# Altium PCB BeliefSat-0 2.0.PcbDoc (part 1 of 2) (continued)
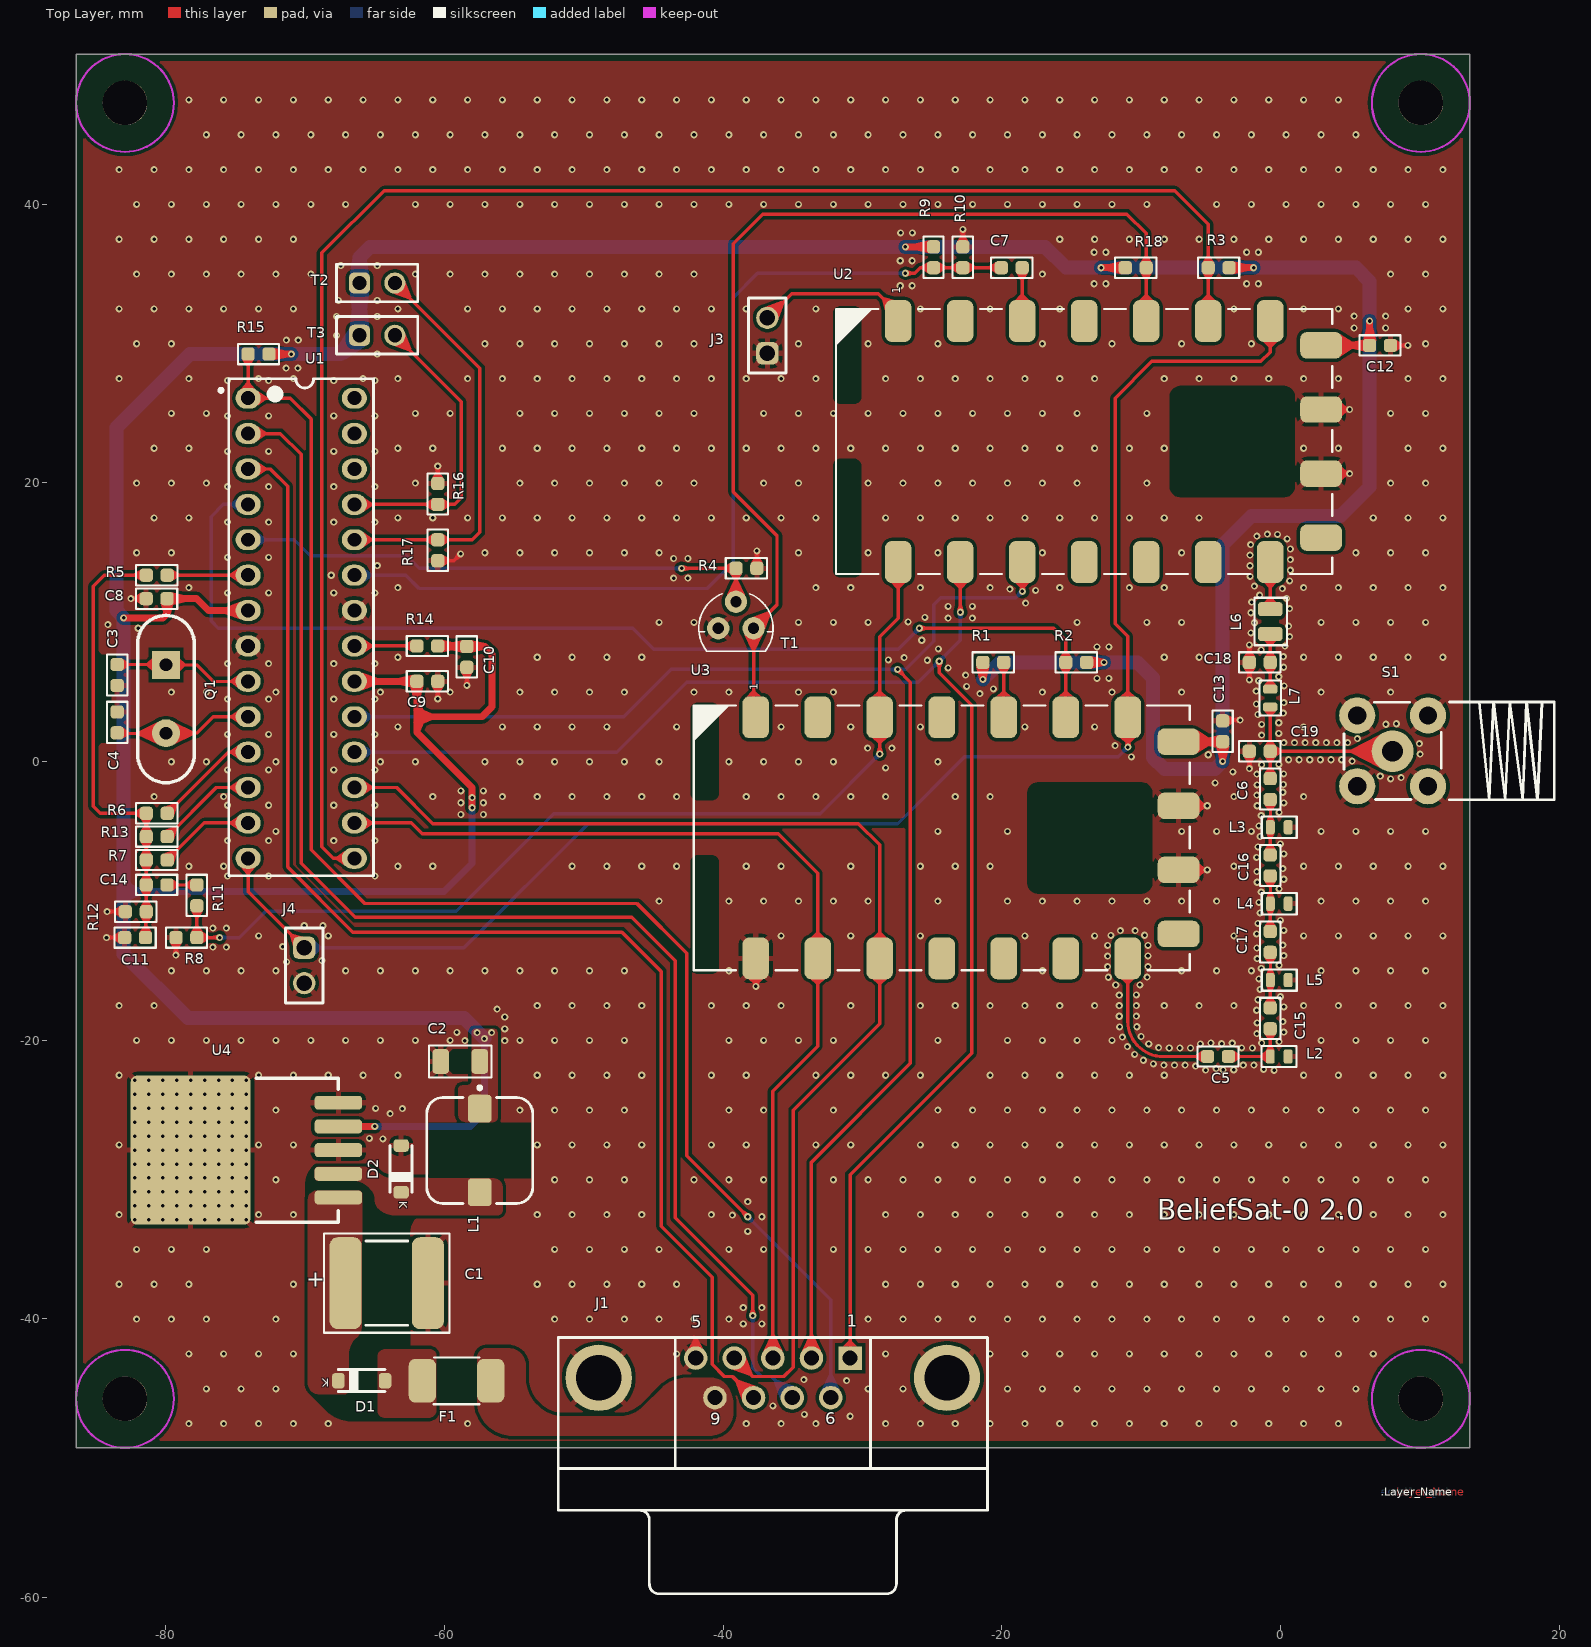
[diagram p0: Top Layer view]
## Design rules (kind name [scope] priority, off if disabled: settings)
Clearance [All] p1: gap=0.229 ignorepadtopadclearanceinfootprint=FALSE
HoleSize [All] p1: absolutevalues=TRUE maxlimit=3.26 minlimit=0.025 maxpercent=80.000 minpercent=20.000
MinimumSolderMaskSliver [All] p1: minsoldermaskwidth=0.1
PolygonConnect PolygonConnect_1 [All vs InNet('VCC') OR InNet('NetC4_2') OR InNet('3.3V') OR InNet('NetC1_1') OR InNet('NetD1_1') OR InNet('NetD2_2')] p1: connectstyle=Direct reliefconductorwidth=0.254 reliefentries=4 polygonreliefangle="90 Angle" airgapwidth=0.254
PolygonConnect [All] p2: thpad.connectstyle=Relief thpad.reliefconductorwidth=0.4 thpad.reliefentries=4 thpad.polygonreliefangle="90 Angle" thpad.airgapwidth=0.254 thpad.conductorbypadedge=TRUE thpad.mindistance=0.381 thpad.enablemindistance=FALSE smdpad.connectstyle=Relief smdpad.reliefconductorwidth=0.4 smdpad.reliefentries=4 smdpad.polygonreliefangle="90 Angle" smdpad.airgapwidth=0.254 smdpad.conductorbypadedge=TRUE smdpad.mindistance=0.381 smdpad.enablemindistance=FALSE via.connectstyle=Direct via.reliefconductorwidth=0.254 via.reliefentries=4 via.polygonreliefangle="90 Angle" via.airgapwidth=0.254
RoutingVias [All] p1: holewidth=0.2 width=0.5 viastyle="Through Hole" minholewidth=0.2 minwidth=0.5 maxholewidth=0.2 maxwidth=0.5
SilkToSolderMaskClearance [IsPad] p1: minsilkscreentomaskgap=0.1 clearancetoexposedcopper=TRUE
SolderMaskExpansion [All] p1: expansion=0.076 istentingtop=FALSE
Width [All] p1: maxlimit=1.016 minlimit=0.224 preferedwidth=0.246
27 further rules are at their usual default settings.

## Components (designator, comment, footprint, x,y, rotation, side; value= is the part's Value field where it differs from the comment)
C1 "100uF" CAP_TANT_597-F -64.131,-37.446 r0 top
C2 "220uF" CAP1206S -58.86,-21.532 r180 top
C3 "22pF" CAP0603S -83.478,6.2 r270 top
C4 "22pF" CAP0603S -83.478,2.8 r90 top
C5 "22pF" CAP0603S -4.48,-21.182 r0 top
C6 "22pF" CAP0603S -0.729,-1.985 r90 top
C7 "1uF" CAP0603S -19.279,35.429 r180 top
C8 "0.1uF" CAP0603S -80.647,11.679 r0 top
C9 "0.1uF" CAP0603S -61.222,5.744 r180 top
C10 "0.1uF" CAP0603S -58.387,7.503 r270 top
C11 "0.1uF" CAP0603S -82.192,-12.646 r180 top
C12 "0.1uF" CAP0603S 7.153,29.854 r0 top
C13 "0.1uF" CAP0603S -4.145,2.164 r90 top
C14 "4.7uF" CAP0603S -80.647,-8.862 r0 top
C15 "5.1pF" CAP0603S -0.729,-18.439 r90 top
C16 "5.1pF" CAP0603S -0.729,-7.469 r90 top
C17 "3.9pF" CAP0603S -0.729,-12.955 r90 top
C18 "30pF" CAP0603S -1.479,7.104 r180 top
C19 "12pF" CAP0603S -1.479,0.729 r180 top
D1 "1N5819HW-7-F" DIODE_SOD-123 -65.931,-44.446 r180 top
D2 "1N5819HW-7-F" DIODE_SOD-123 -63.097,-29.246 r270 top
F1 "0448002.MR" F2512S -59.122,-44.446 r180 top
J1 "M24308_23-25F" D-SUB_9M_PIN -36.423,-44.241 r0 top locked
J3 "-" HDR_P2.54_2X1_VERTICAL_TH -36.819,30.559 r90 top
J4 "-" HDR_P2.54_2X1_VERTICAL_TH -70.056,-14.645 r270 top
L1 "47uH" IND_SHIELD_7.3X7.3_H4.5R_SMD -57.46,-27.923 r0 top
L2 "22nH" INDW0603S -0.089,-21.182 r0 top
L3 "20nH" INDW0603S -0.082,-4.726 r180 top
L4 "11nH" INDW0603S -0.082,-10.212 r0 top
L5 "11nH" INDW0603S -0.082,-15.696 r0 top
L6 "30nH" INDW0805S -0.729,10.039 r270 top
L7 "75nH" INDW0603S -0.729,4.546 r270 top
Q1 "8MHZ" CRYSTAL -79.976,4.474 r270 top
R1 "10k ohm" RES0603S -20.604,7.104 r0 top
R2 "10k ohm" RES0603S -14.654,7.104 r0 top
R3 "10k ohm" RES0603S -4.429,35.429 r0 top
R4 "10k ohm" RES0603S -38.322,13.858 r180 top
R5 "10k ohm" RES0603S -80.642,13.364 r180 top
R6 "4.7k ohm" RES0603S -80.642,-3.724 r180 top
R7 "1k ohm" RES0603S -80.642,-7.074 r180 top
R8 "1k ohm" RES0603S -78.511,-12.646 r180 top
R9 "100k ohm" RES0603S -24.892,36.179 r270 top
R10 "100k ohm" RES0603S -22.793,36.179 r90 top
R11 "100k ohm" RES0603S -77.761,-9.612 r270 top
R12 "270 ohm" RES0603S -82.142,-10.785 r180 top
R13 "2.2k ohm" RES0603S -80.642,-5.399 r180 top
R14 "0 ohm" RES0603S -61.222,8.284 r180 top
R15 "10k ohm" RES0603S -73.332,29.229 r0 top
R16 "100k ohm" RES0603S -60.472,19.194 r90 top
R17 "100k ohm" RES0603S -60.472,15.154 r270 top
R18 "10k ohm" RES0603S -10.379,35.429 r0 top
S1 "SMA_CONNECTOR" SMA-RA 8.053,0.754 r270 top locked
T1 "2N7000-G" TO-92TRY -39.073,9.553 r0 top
T2 "NTC 100k" SOCKET_P2.54_2X1_VERTICAL_TH -64.817,34.329 r0 top
T3 "NTC 100k" SOCKET_P2.54_2X1_VERTICAL_TH -64.817,30.579 r0 top
U1 "ATMEGA328P-PU" "DIP-28 -300 MIL" -70.272,9.554 r0 top locked
U2 "DRA818V" DRA818U -12.254,22.954 r0 top locked
U3 "DRA818U" DRA818U -22.479,-5.486 r0 top locked
U4 "LM2575S-3.3" TO-263-5 -72.906,-27.896 r90 top

## Footprints (in the part's own frame and the unit in brackets; to place one, negate y for a bottom-side part, rotate by r counter-clockwise, add the part's x,y. Pads: shape width x height; smd on the part's side, far side on the other; paste and mask are expansions set on the pad)
CAP0603S [mm] "Chip Capacitor, 2-Leads, Body 1.60x0.80mm, IPC Medium Density"
  rrect50% 0.95x0.95 smd: 1(-0.75,0) 2(0.75,0)
  Top Layer pour cut-out: 0.28,0.398 -0.275,0.398 -0.275,-0.398 0.28,-0.398
  silkscreen extent -1.48,-0.73 1.48,0.73, body extent -1.23,-0.4 1.23,0.4, height 0.8
CAP1206S [mm]
  rrect50% 1.2x1.8 smd paste+0 mask+0.102: 1(-1.4,0) 2(1.4,0)
  Top Layer pour cut-out: 0.8,0.875 -0.8,0.875 -0.8,-0.875 0.8,-0.875
  silkscreen extent -2.25,-1.15 2.25,1.15, body extent -1.6,-0.8 1.6,0.8, height 1
CAP_TANT_597-F [mm]
  rrect50% 2.3x6.6 smd: 1(-2.95,0) 2(2.95,0)
  Top Layer pour cut-out: 1.8,3.023 -1.8,3.023 -1.8,-3.023 1.8,-3.023
  silkscreen extent -4.5,-3.56 4.5,3.56, body extent -4.56,-3.02 3.04,3.02, height 4.7
CRYSTAL [mm]
  rect 2x2 hole 0.9: 1(-2.45,0)
  round 2 hole 0.9: 2(2.45,0)
  silkscreen extent -6.01,-2.03 6.01,2.03, body extent -5.68,-2.32 5.68,2.32, height 3.8
D-SUB_9M_PIN [mm] "Connector; D Subminiature; 9 Position; Right Angle; Pitch 1.385 mm"
  rect 1.69x1.69 hole 1.09: 1(5.54,1.42)
  round 1.69 hole 1.09: 2(2.77,1.42) 3(0,1.42) 4(-2.77,1.42) 5(-5.54,1.42) 6(4.155,-1.42) 7(1.385,-1.42) 8(-1.385,-1.42) 9(-4.155,-1.42)
  round 4.76 hole 3.26: 10(12.495,0) 11(-12.495,0)
  silkscreen extent -15.4,-15.5 15.4,2.9, body extent -15.4,-15.5 15.4,2.9, height 12.75
DIODE_SOD-123 [mm]
  rrect50% 0.9x1.1 smd: 1(-1.675,0) 2(1.675,0)
  silkscreen extent -1.67,-0.8 1.68,0.78, body extent -1.85,-0.77 1.85,0.77, height 1.35
"DIP-28 -300 MIL" [mm]
  oval 1.8x1.5 hole 1: 1(-3.81,16.51) 2(-3.81,13.97) 3(-3.81,11.43) 4(-3.81,8.89) 5(-3.81,6.35) 6(-3.81,3.81) 7(-3.81,1.27) 8(-3.81,-1.27) 9(-3.81,-3.81) 10(-3.81,-6.35) 11(-3.81,-8.89) 12(-3.81,-11.43) 13(-3.81,-13.97) 14(-3.81,-16.51) 15(3.81,-16.51) 16(3.81,-13.97) 17(3.81,-11.43) 18(3.81,-8.89) 19(3.81,-6.35) 20(3.81,-3.81) 21(3.81,-1.27) 22(3.81,1.27) 23(3.81,3.81) 24(3.81,6.35) 25(3.81,8.89) 26(3.81,11.43) 27(3.81,13.97) 28(3.81,16.51)
  silkscreen extent -5.88,-17.77 5.18,17.9, body extent -5.08,-18 5.08,18, height 9.58
DRA818U [mm]
  rrect50% 1.9x3 smd: 1(-15.175,8.65) 2(-10.725,8.65) 3(-6.275,8.65) 4(-1.825,8.65) 5(2.625,8.65) 6(7.075,8.65) 7(11.525,8.65) 12(11.525,-8.65) 13(7.075,-8.65) 14(2.625,-8.65) 15(-1.825,-8.65) 16(-6.275,-8.65) 17(-10.725,-8.65) 18(-15.175,-8.65)
  rrect50% 3x1.9 smd: 8(15.175,6.9) 9(15.175,2.3) 10(15.175,-2.3) 11(15.175,-6.9)
  Top Layer pour cut-out: 12.487,4 12.567,4 12.724,3.969 12.872,3.907 13.005,3.818 13.118,3.705 13.207,3.572 13.269,3.424 13.3,3.267 13.3,3.187 13.3,3.187 13.3,-3.197 13.3,-3.276 13.269,-3.431 13.209,-3.578 13.121,-3.709 13.009,-3.821 12.878,-3.909 12.731,-3.969 12.576,-4 12.497,-4 12.497,-4 5.098,-4 5.02,-4 4.865,-3.969 4.72,-3.909 4.589,-3.822 4.478,-3.711 4.391,-3.58 4.331,-3.435 4.3,-3.28 4.3,-3.202 4.3,-3.202 4.3,3.189 4.3,3.269 4.331,3.426 4.392,3.573 4.481,3.706 4.594,3.819 4.727,3.908 4.874,3.969 5.031,4 5.111,4 5.111,4
  Top Layer pour cut-out: -18.868,-1.25 -18.334,-1.25 -18.233,-1.25 -18.046,-1.327 -17.902,-1.471 -17.825,-1.658 -17.825,-1.759 -17.825,-1.759 -17.825,-9.248 -17.825,-9.348 -17.901,-9.533 -18.042,-9.674 -18.227,-9.75 -18.327,-9.75 -18.327,-9.75 -19.328,-9.75 -19.427,-9.75 -19.609,-9.674 -19.749,-9.534 -19.825,-9.352 -19.825,-9.253 -19.825,-9.253 -19.825,-1.748 -19.825,-1.649 -19.749,-1.466 -19.609,-1.326 -19.426,-1.25 -19.327,-1.25 -19.327,-1.25
  Top Layer pour cut-out: -19.367,9.698 -18.32,9.698 -18.221,9.698 -18.039,9.623 -17.9,9.484 -17.825,9.302 -17.825,9.204 -17.825,9.204 -17.825,3.206 -17.825,3.105 -17.902,2.919 -18.044,2.777 -18.23,2.7 -18.331,2.7 -18.331,2.7 -19.326,2.7 -19.425,2.7 -19.609,2.776 -19.749,2.916 -19.825,3.1 -19.825,3.199 -19.825,3.199 -19.825,9.2 -19.825,9.3 -19.749,9.483 -19.608,9.624 -19.425,9.7 -19.325,9.7 -19.325,9.7
  silkscreen extent -19.62,-9.5 15.98,9.5
F2512S [mm]
  rrect50% 1.96x3.15 smd paste+0 mask+0.102: 1(-2.455,0) 2(2.455,0)
  Top Layer pour cut-out: 1.475,1.6 -1.475,1.6 -1.475,-1.6 1.475,-1.6
  silkscreen extent -1.63,-1.66 1.65,1.69, body extent -3.2,-1.6 3.2,1.6, height 0.6
HDR_P2.54_2X1_VERTICAL_TH [mm] "Pin Header, pitch 2.54 mm, THT, Vertical, single row, 2p"
  rrect50% 1.6x1.6 hole 1.1: 1(-1.27,0)
  round 1.6 hole 1.1: 2(1.27,0)
  silkscreen extent -2.69,-1.35 2.69,1.35, body extent -2.54,-1.27 2.54,1.27, height 8.57
IND_SHIELD_7.3X7.3_H4.5R_SMD [mm] "SMT Shielded Power Inductor, 2-leads, body 7.3x7.3mm"
  rrect30% 1.7x2 smd: 1(0,3) 2(0,-3)
  Top Layer pour cut-out: 3.65,2 -3.65,2 -3.65,-2 3.65,-2
  silkscreen extent -3.8,-3.8 3.8,4.62, body extent -3.65,-3.65 3.65,3.65, height 4.1
INDW0603S [mm] "Chip Capacitor, 2-Leads, Body 1.60x0.80mm, IPC Medium Density"
  rrect50% 0.64x1.02 smd: 1(-0.64,0) 2(0.64,0)
  Top Layer pour cut-out: 0.321,0.398 -0.319,0.398 -0.319,-0.398 0.321,-0.398
  silkscreen extent -1.25,-0.76 1.25,0.76, body extent -0.9,-0.56 0.9,0.56, height 1.06
INDW0805S [mm] "Chip Capacitor, 2-Leads, Body 2.00x1.25mm, IPC Medium Density"
  rrect50% 1.02x1.78 smd: 1(-0.89,0) 2(0.89,0)
  Top Layer pour cut-out: 0.376,0.625 -0.378,0.625 -0.378,-0.625 0.376,-0.625
  silkscreen extent -1.7,-1.14 1.7,1.21, body extent -1.14,-0.86 1.14,0.86, height 1.51
RES0603S [mm] "Chip Capacitor, 2-Leads, Body 1.60x0.80mm, IPC Medium Density"
  rrect50% 0.95x0.95 smd: 1(-0.75,0) 2(0.75,0)
  Top Layer pour cut-out: 0.28,0.398 -0.275,0.398 -0.275,-0.398 0.28,-0.398
  silkscreen extent -1.48,-0.73 1.48,0.73, body extent -1.23,-0.4 1.23,0.4, height 0.8
SMA-RA [mm]
  round 3 hole 1.5: 1(0.025,0)
  round 2.6 hole 1.3: 2(-2.54,2.54) 2(-2.54,-2.54) 2(2.54,2.54) 2(2.54,-2.54)
  silkscreen extent -3.5,-3.49 3.5,11.6, body extent -3.17,-3.17 3.18,11.63, height 10.05
SOCKET_P2.54_2X1_VERTICAL_TH [mm] "Socket Header, Pitch 2.54 mm, THT, Vertical, single row, 2p"
  rrect50% 1.52x1.52 hole 1.02: 1(-1.27,0)
  round 1.52 hole 1.02: 2(1.27,0)
  silkscreen extent -2.92,-1.35 2.92,1.35, body extent -2.79,-1.25 2.79,1.25, height 8.55
TO-92TRY [mm]
  round 1.6 hole 0.8: 1(-1.27,0) 2(0,1.905) 3(1.27,0)
  silkscreen extent -2.66,-1.65 2.66,2.48, body extent -2.49,-1.65 2.49,2.46, height 10
TO-263-5 [mm]
  rrect50% 1x3.4 smd: 1(-3.4,-5.3) 2(-1.7,-5.3) 3(0,-5.3) 4(1.7,-5.3) 5(3.4,-5.3)
  rrect10% 10.7x8.6 smd: 6(0,5.3)
  silkscreen extent -5.17,-5.3 5.17,0.59, body extent -5.08,-5.81 5.08,8.2, height 4.56

## Part data
C1: library part 597D107X0035F2T, "Capacitor Polarised", Manufacturer_Name=Vishay, Mouser Part Number=71-597D107X0035F2T, Arrow Part Number=597D107X0035F2T, Arrow Price/Stock=https://www.arrow.com/en/products/597d107x0035f2t/vishay?region=nac, Datasheet Link=http://www.vishay.com/doc?40047, HEIGHT=5.1mm, Manufacturer_Part_Number=597D107X0035F2T, Mouser Price/Stock=https://www.mouser.co.uk/ProductDetail/Vishay-Sprague/597D107X0035F2T?qs=DXQsj0V1GVTKwR1E%252Bb2%2FxA%3D%3D
C2: library part GRM31CR60J227ME11L, "Capacitor", Manufacturer_Name="Murata Electronics", Mouser Part Number=81-GRM31CR60J227ME1L, Arrow Part Number=GRM31CR60J227ME11L, Arrow Price/Stock=https://www.arrow.com/en/products/grm31cr60j227me11l/murata-manufacturing?region=nac, Datasheet Link=http://www.murata.com/~/media/webrenewal/support/library/catalog/products/capacitor/mlcc/c02e.pdf, HEIGHT=1.8mm, Manufacturer_Part_Number=GRM31CR60J227ME11L, Mouser Price/Stock=https://www.mouser.co.uk/ProductDetail/Murata-Electronics/GRM31CR60J227ME11L?qs=qSv5qXjCIG0eiOVJsXqfJw%3D%3D
C3 C4 C5 C6: library part C0603C220D5GACTU, "Capacitor", Manufacturer_Name=KEMET, Mouser Part Number=80-C0603C220D5G, Arrow Part Number=C0603C220D5GACTU, Arrow Price/Stock=https://www.arrow.com/en/products/c0603c220d5gactu/kemet-corporation, Datasheet Link=https://content.kemet.com/datasheets/KEM_C1003_C0G_SMD.pdf, HEIGHT=0.87mm, Manufacturer_Part_Number=C0603C220D5GACTU, Mouser Price/Stock=https://www.mouser.co.uk/ProductDetail/KEMET/C0603C220D5GACTU?qs=6nUJ7Nc5GPRn07rM28d%2FqA%3D%3D
C7: library part C0603C105K3RACTU, "Capacitor", Manufacturer_Name=KEMET, Mouser Part Number=80-C0603C105K3R, Arrow Part Number=C0603C105K3RACTU, Arrow Price/Stock=https://www.arrow.com/en/products/c0603c105k3ractu/kemet-corporation, Datasheet Link=https://content.kemet.com/datasheets/KEM_C1002_X7R_SMD.pdf, HEIGHT=0.87mm, Manufacturer_Part_Number=C0603C105K3RACTU, Mouser Price/Stock=https://www.mouser.co.uk/ProductDetail/KEMET/C0603C105K3RACTU?qs=iP0bYSAMAFqXsndpLAld4A%3D%3D
C8 C9 C10 C11 C12 C13: library part C0603C104J5RACAUTO, "Capacitor", Manufacturer_Name=KEMET, Mouser Part Number=80-C0603C104J5RAUTO, Arrow Part Number=C0603C104J5RACAUTO, Arrow Price/Stock=https://www.arrow.com/en/products/c0603c104j5racauto/kemet-corporation?region=europe, Datasheet Link=https://content.kemet.com/datasheets/KEM_C1023_X7R_AUTO_SMD.pdf, HEIGHT=0.87mm, Manufacturer_Part_Number=C0603C104J5RACAUTO, Mouser Price/Stock=https://www.mouser.co.uk/ProductDetail/KEMET/C0603C104J5RACAUTO?qs=XYJIsZbdjSO3ULwa1DwJaA%3D%3D
C14: library part GRM188R61E475KE11D, "Capacitor", Manufacturer_Name="Murata Electronics", Mouser Part Number=81-GRM188R61E475KE1D, Arrow Part Number=GRM188R61E475KE11D, Arrow Price/Stock=https://www.arrow.com/en/products/grm188r61e475ke11d/murata-manufacturing?region=nac, Datasheet Link=https://psearch.en.murata.com/capacitor/product/GRM188R61E475KE11%23.html, HEIGHT=0.9mm, Manufacturer_Part_Number=GRM188R61E475KE11D, Mouser Price/Stock=https://www.mouser.co.uk/ProductDetail/Murata-Electronics/GRM188R61E475KE11D?qs=eeBpzGFlv%252B9M0HqzMo%2FgYw%3D%3D
C15 C16: library part CBR06C519B5GAC, "Capacitor", Manufacturer_Name=KEMET, Datasheet Link=http://www.kemet.com/Lists/ProductCatalog/Attachments/490/KEM_C1030_CBR_SMD.pdf, HEIGHT=0.87mm, Manufacturer_Part_Number=CBR06C519B5GAC
C17: library part CBR06C399BAGAC, "Capacitor", Manufacturer_Name=KEMET, Datasheet Link=http://www.kemet.com/Lists/ProductCatalog/Attachments/490/KEM_C1030_CBR_SMD.pdf, HEIGHT=0.87mm, Manufacturer_Part_Number=CBR06C399BAGAC
C18: library part MC0603N300J500CT, "Capacitor", Manufacturer_Name=MULTICOMP, Datasheet Link=https://componentsearchengine.com/Datasheets/2/MC0603N300J500CT.pdf, HEIGHT=0.87mm, Manufacturer_Part_Number=MC0603N300J500CT
C19: library part CC0603JRNPO9BN120, "Capacitor", Manufacturer_Name=YAGEO, Datasheet Link=https://4donline.ihs.com/images/VipMasterIC/IC/YAGO/YAGO-S-A0012506047/YAGO-S-A0012506047-1.pdf?hkey=EF798316E3902B6ED9A73243A3159BB0, HEIGHT=0.9mm, Manufacturer_Part_Number=CC0603JRNPO9BN120
D1 D2: "Diode", Manufacturer_Name="Diodes Inc.", Mouser Part Number=621-1N5819HW-F, Arrow Part Number=1N5819HW-7-F, Arrow Price/Stock=https://www.arrow.com/en/products/1n5819hw-7-f/diodes-incorporated?region=europe, Datasheet Link=https://datasheet.datasheetarchive.com/originals/distributors/Datasheets-DGA23/1390892.pdf, HEIGHT=1.45mm, Manufacturer_Part_Number=1N5819HW-7-F, Mouser Price/Stock=https://www.mouser.co.uk/ProductDetail/Diodes-Incorporated/1N5819HW-7-F?qs=NQ47qNm99eDyWTEd07miYA%3D%3D
F1: "Fuse", Manufacturer_Name=LITTELFUSE, Mouser Part Number=576-0448002.MR, Arrow Part Number=0448002.MR, Arrow Price/Stock=https://www.arrow.com/en/products/0448002.mr/littelfuse, Datasheet Link=https://datasheet.datasheetarchive.com/originals/dk/DKDS-14/270745.pdf, HEIGHT=2.94mm, Manufacturer_Part_Number=0448002.MR, Mouser Price/Stock=https://www.mouser.co.uk/ProductDetail/Littelfuse/0448002MR/?qs=0Lj1fdIkOvRuHWVsL8fYwg%3D%3D
J1: "Connector", Arrow Part Number=M24308/23-25F, Manufacturer_Name="TE Connectivity", Mouser Part Number=571-M24308/23-25F, Arrow Price/Stock=https://www.arrow.com/en/products/m2430823-25f/te-connectivity, Datasheet Link=https://www.te.com/commerce/DocumentDelivery/DDEController?Action=showdoc&DocId=Customer+Drawing%7F1218434%7FD1%7Fpdf%7FEnglish%7FENG_CD_1218434_D1.pdf%7F1218434-1, HEIGHT=12.93mm, Manufacturer_Part_Number=M24308/23-25F, Mouser Price/Stock=https://www.mouser.co.uk/ProductDetail/TE-Connectivity-Raychem/M24308-23-25F?qs=DgToa77CwMoDL9HHUTSXPg%3D%3D
J3 J4: library part 87527-2, "Connector", Manufacturer_Name="TE Connectivity", Mouser Part Number=571-875272, Arrow Part Number=87527-2, Arrow Price/Stock=https://www.arrow.com/en/products/87527-2/te-connectivity?region=nac, Datasheet Link=https://www.te.com/commerce/DocumentDelivery/DDEController?Action=showdoc&DocId=Customer+Drawing%7F87527%7FH%7Fpdf%7FEnglish%7FENG_CD_87527_H.pdf%7F87527-2, HEIGHT=10.439mm, Manufacturer_Part_Number=87527-2, Mouser Price/Stock=https://www.mouser.co.uk/ProductDetail/TE-Connectivity/87527-2?qs=ZDXmSm13593hsB4j%252B6gMfg%3D%3D
L1: library part 784777470, "Inductor", Manufacturer_Name="Wurth Elektronik", Mouser Part Number=710-784777470, Datasheet Link=https://www.we-online.com/components/products/datasheet/784777470.pdf, HEIGHT=4.3mm, Manufacturer_Part_Number=784777470, Mouser Price/Stock=https://www.mouser.co.uk/ProductDetail/Wurth-Elektronik/784777470?qs=sBf%2Fb4nBSlctQe4mWCQWkg%3D%3D
L2: library part 0603CS-22NXGLU, "Inductor", Manufacturer_Name=COILCRAFT, Mouser Part Number=994-0603CS-22NXGLU, Datasheet Link=https://www.coilcraft.com/pdfs/0603cs.pdf, HEIGHT=1mm, Manufacturer_Part_Number=0603CS-22NXGLU, Mouser Price/Stock=https://www.mouser.com/Search/Refine.aspx?Keyword=994-0603CS-22NXGLU
L3: library part 0603CT-20NXJLU, "Inductor", Manufacturer_Name=COILCRAFT, Datasheet Link=https://www.coilcraft.com/getmedia/79bdb3ea-d7fd-4ba8-be3a-95c033f8ac0b/0603ct.pdf, HEIGHT=0.61mm, Manufacturer_Part_Number=0603CT-20NXJLU
L4 L5: library part LQW18AS11NG0CD, "Inductor", Manufacturer_Name="Murata Electronics", Mouser Part Number=81-LQW18AS11NG0CD, Datasheet Link=https://psearch.en.murata.com/inductor/product/LQW18AS11NG0C%23.html, HEIGHT=1mm, Manufacturer_Part_Number=LQW18AS11NG0CD, Mouser Price/Stock=https://www.mouser.co.uk/ProductDetail/Murata-Electronics/LQW18AS11NG0CD/?qs=B6kkDfuK7%2FBj2aJx4NP4VA%3D%3D
L6: library part MLZ2012M4R7WT000, "Inductor", Manufacturer_Name=TDK, Mouser Part Number=810-MLZ2012M4R7WT000, Arrow Part Number=MLZ2012M4R7WT000, Arrow Price/Stock=https://www.arrow.com/en/products/mlz2012m4r7wt000/tdk?region=nac, Datasheet Link=https://product.tdk.com/system/files/dam/doc/product/inductor/inductor/smd/catalog/inductor_commercial_decoupling_mlz2012_en.pdf, HEIGHT=1.05mm, Manufacturer_Part_Number=MLZ2012M4R7WT000, Mouser Price/Stock=https://www.mouser.co.uk/ProductDetail/TDK/MLZ2012M4R7WT000?qs=%2FPzWLGNeQ%252BgJ%252BISTa0BVog%3D%3D
L7: library part 0603DC-75NXJRW, "Inductor", Manufacturer_Name=COILCRAFT, Mouser Part Number=994-0603DC-75NXJRW, Datasheet Link=https://www.coilcraft.com/getmedia/f3d98f97-cbe2-41fa-b3a9-518f674e881e/0603dc.pdf, HEIGHT=0.89mm, Manufacturer_Part_Number=0603DC-75NXJRW, Mouser Price/Stock=https://www.mouser.co.uk/ProductDetail/Coilcraft/0603DC-75NXJRW?qs=KUoIvG%2F9Ila6tFxeUrslZw%3D%3D
Q1: library part ABL-8.000MHZ-B2-T, "Crystal or Oscillator", Manufacturer_Name=ABRACON, Mouser Part Number=815-ABL8000MHZB2T, Datasheet Link=https://abracon.com/Resonators/ABL.pdf, Manufacturer_Part_Number=ABL-8.000MHZ-B2-T, Mouser Price/Stock=https://www.mouser.co.uk/ProductDetail/ABRACON/ABL-8.000MHZ-B2-T?qs=vmHwEFxEFR9sZytdVtTZBg%3D%3D
R1 R2 R3 R4 R5 R15 R18: library part CRCW060310K0FKEA, "Resistor", Manufacturer_Name=Vishay, Mouser Part Number=71-CRCW0603-10K-E3, Arrow Part Number=CRCW060310K0FKEA, Arrow Price/Stock=https://www.arrow.com/en/products/crcw060310k0fkea/vishay?region=europe, Datasheet Link=http://www.vishay.com/docs/20035/dcrcwe3.pdf, HEIGHT=0.5mm, Manufacturer_Part_Number=CRCW060310K0FKEA, Mouser Price/Stock=https://www.mouser.co.uk/ProductDetail/Vishay-Dale/CRCW060310K0FKEA?qs=pAO1Z172M84BVnhDjtnsoQ%3D%3D
R6: library part CRCW06034K70FKEA, "Resistor", Manufacturer_Name=Vishay, Mouser Part Number=71-CRCW0603-4.7K-E3, Arrow Part Number=CRCW06034K70FKEA, Arrow Price/Stock=https://www.arrow.com/en/products/crcw06034k70fkea/vishay?region=nac, Datasheet Link=http://www.vishay.com/docs/20035/dcrcwe3.pdf, HEIGHT=0.5mm, Manufacturer_Part_Number=CRCW06034K70FKEA, Mouser Price/Stock=https://www.mouser.co.uk/ProductDetail/Vishay-Dale/CRCW06034K70FKEA?qs=4E3O%252BEEZcdLDG%2FSk4GmlWQ%3D%3D
R7 R8: library part CRCW06031K00FKEAHP, "Resistor", Manufacturer_Name=Vishay, Mouser Part Number=71-CRCW06031K00FKEAH, Arrow Part Number=CRCW06031K00FKEAHP, Arrow Price/Stock=https://www.arrow.com/en/products/crcw06031k00fkeahp/vishay?region=nac, Datasheet Link=https://componentsearchengine.com/Datasheets/2/CRCW06031K00FKEAHP.pdf, HEIGHT=0.55mm, Manufacturer_Part_Number=CRCW06031K00FKEAHP, Mouser Price/Stock=https://www.mouser.co.uk/ProductDetail/Vishay-Dale/CRCW06031K00FKEAHP?qs=FlFvgi4rxBx1%252B5DAse78lQ%3D%3D
R9 R10 R11 R16 R17: library part CRCW0603100KFKEA, "Resistor", Manufacturer_Name=Vishay, Mouser Part Number=71-CRCW0603-100K-E3, Arrow Part Number=CRCW0603100KFKEA, Arrow Price/Stock=https://www.arrow.com/en/products/crcw0603100kfkea/vishay?region=nac, Datasheet Link=http://www.vishay.com/docs/20035/dcrcwe3.pdf, HEIGHT=0.5mm, Manufacturer_Part_Number=CRCW0603100KFKEA, Mouser Price/Stock=https://www.mouser.co.uk/ProductDetail/Vishay-Dale/CRCW0603100KFKEA?qs=6dqgS%252BKntICWHMMdIzt5%2FQ%3D%3D
R12: library part CRCW0603270RFKEA, "Resistor", Manufacturer_Name=Vishay, Mouser Part Number=71-CRCW0603-270-E3, Arrow Part Number=CRCW0603270RFKEA, Arrow Price/Stock=https://www.arrow.com/en/products/crcw0603270rfkea/vishay, Datasheet Link=http://www.vishay.com/docs/20035/dcrcwe3.pdf, HEIGHT=0.5mm, Manufacturer_Part_Number=CRCW0603270RFKEA, Mouser Price/Stock=https://www.mouser.co.uk/ProductDetail/Vishay-Dale/CRCW0603270RFKEA?qs=pbofycSuseMg1CwiubILXA%3D%3D
R13: library part CRCW06032K20JNEAHP, "Resistor", Manufacturer_Name=Vishay, Mouser Part Number=71-CRCW06032K20JNEAH, Arrow Part Number=CRCW06032K20JNEAHP, Arrow Price/Stock=https://www.arrow.com/en/products/crcw06032k20jneahp/vishay, Datasheet Link=http://www.vishay.com/docs/20043/crcwhpe3.pdf, HEIGHT=0.55mm, Manufacturer_Part_Number=CRCW06032K20JNEAHP, Mouser Price/Stock=https://www.mouser.co.uk/ProductDetail/Vishay-Dale/CRCW06032K20JNEAHP/?qs=k2%2FDWSARqgFWsVO90R5J%2FQ%3D%3D
R14: library part WSL060300000ZEA9, "Resistor", Manufacturer_Name=Vishay, Mouser Part Number=71-WSL060300000ZEA9, Arrow Part Number=WSL060300000ZEA9, Arrow Price/Stock=https://www.arrow.com/en/products/wsl060300000zea9/vishay?region=nac, Datasheet Link=http://www.vishay.com/docs/30192/wsl-9.pdf, HEIGHT=0.457mm, Manufacturer_Part_Number=WSL060300000ZEA9, Mouser Price/Stock=https://www.mouser.co.uk/ProductDetail/Vishay-Dale/WSL060300000ZEA9?qs=Q7nJoqLg%252BZgzeflh6I0jJw%3D%3D
S1: library part SMA_RA_CONNECTOR, "Connector", Manufacturer_Name=LPRS, Manufacturer_Part_Number="SMA RA CONNECTOR", Datasheet Link=http://www.farnell.com/datasheets/2615443.pdf, HEIGHT=9.7mm
T1: "MOSFET (N-Channel)", Manufacturer_Name=Microchip, Mouser Part Number=689-2N7000-G, Arrow Part Number=2N7000-G, Arrow Price/Stock=https://www.arrow.com/en/products/2n7000-g/microchip-technology?region=nac, Datasheet Link=http://www.microchip.com/mymicrochip/filehandler.aspx?ddocname=en571380, HEIGHT=5.334mm, Manufacturer_Part_Number=2N7000-G, Mouser Price/Stock=https://www.mouser.co.uk/ProductDetail/Microchip-Technology/2N7000-G?qs=yU2N9dt%252BrfnyR%2FOhNomgZw%3D%3D
T2 T3: library part NTCALUG85A103G151A, "Thermistor", Manufacturer_Name=Vishay, Mouser Part Number=594-NTCLG85A103G151A, Datasheet Link=https://www.vishay.com/docs/29195/ntcalug85am6.pdf, HEIGHT=5.9mm, Manufacturer_Part_Number=NTCALUG85A103G151A, Mouser Price/Stock=https://www.mouser.co.uk/ProductDetail/Vishay-BC-Components/NTCALUG85A103G151A?qs=RcG8xmE7yp1OhCEQidDctg%3D%3D
U1: "Integrated Circuit", Manufacturer_Name=Microchip, Mouser Part Number=556-ATMEGA328P-PU, Arrow Part Number=ATMEGA328P-PU, Arrow Price/Stock=https://www.arrow.com/en/products/atmega328p-pu/microchip-technology?region=europe, Datasheet Link=https://www.mouser.ca/datasheet/2/268/ATmega48A_PA_88A_PA_168A_PA_328_P_DS_DS40002061B-3050139.pdf, HEIGHT=4.572mm, Manufacturer_Part_Number=ATMEGA328P-PU, Mouser Price/Stock=https://www.mouser.co.uk/ProductDetail/Microchip-Technology/ATMEGA328P-PU?qs=K8BHR703ZXguOQv3sKbWcg%3D%3D
U2: "VHF Band Voice Transceiver Module", PACKAGE=Package, AVAILABILITY=Unavailable, Check_prices=https://www.snapeda.com/parts/DRA818V/DORJI/view-part/2654524/?ref=eda, MF=DORJI, MP=DRA818V, PRICE=None, SnapEDA_Link=https://www.snapeda.com/parts/DRA818V/DORJI/view-part/2654524/?ref=snap
U3: library part DRA818V, "VHF Band Voice Transceiver Module", PACKAGE=Package, AVAILABILITY=Unavailable, Check_prices=https://www.snapeda.com/parts/DRA818V/DORJI/view-part/2654524/?ref=eda, MF=DORJI, MP=DRA818V, PRICE=None, SnapEDA_Link=https://www.snapeda.com/parts/DRA818V/DORJI/view-part/2654524/?ref=snap
U4: "Integrated Circuit", Manufacturer_Name="Texas Instruments", Mouser Part Number=926-LM2575S-33, Arrow Part Number=LM2575S-3.3, Arrow Price/Stock=https://www.arrow.com/en/products/lm2575s-3.3/texas-instruments, Datasheet Link=http://www.ti.com/lit/ds/symlink/lm2575-n.pdf, Manufacturer_Part_Number=LM2575S-3.3, Mouser Price/Stock=https://www.mouser.co.uk/ProductDetail/Texas-Instruments/LM2575S-33?qs=X1J7HmVL2ZGJI1ErpXs93A%3D%3D

## Free pads (board coordinates)
  round 3.2 hole 3.2 unplated: MH1(-82.922,47.254) MH3(10.078,47.254) MH4(10.078,-45.746) MH5(-82.922,-45.746)

## Via types
v1: diameter 0.508, hole 0.254, Top Layer to Bottom Layer, tented both sides, 1337 vias

## Nets (pads, with @x,y where several pads share a name; then routed paths per layer and width w, separated by ;. In a path a pad name is that pad's centre, name@x,y a point inside that pad or via, vN(x,y) a via of type N, cw(c..) or ccw(c..) an arc to the next point about the centre after c; other vN are vias at no path point)
3.3V: C2.1 C8.2 C9.2 C10.1 C12.1 C13.1 L1.1 R1.1 R2.2 R3.2 R9.1 R14.1 R15.2 R18.1 T2.1 T3.1 U1.7 U1.20 U2.8 U3.8 U4.4 | length 340.5
  Top Layer w0.5: v1(-83.022,10.304) -80.19,10.304 -79.897,10.597 C8.2@-79.897,11.679 -77.78,11.679 -76.925,10.824 U1.7@-74.082,10.824 ; R15.2@-72.582,29.229 v1(-70.984,29.229) ; U4.4@-67.606,-26.196 v1(-64.994,-26.196) ; U1.20@-66.462,5.744 C9.2@-61.972,5.744 -61.972,3.644 ; R14.1@-60.472,8.284 -60.457,8.269 -58.402,8.269 C10.1@-58.387,8.253 -57.096,8.253 -56.566,7.723 -56.566,3.921 -57.283,3.204 -61.532,3.204 ; v1(-58.007,-3.326) -58.007,-1.887 -61.972,2.078 -61.972,2.764 ; v1(-26.908,36.929) R9.1@-24.892,36.929 ; R1.1@-21.354,7.104 -21.354,5.888 -21.347,5.881 v1(-21.347,5.879) ; R2.2@-13.904,7.104 v1(-12.661,7.104) ; v1(-12.872,35.429) R18.1@-11.129,35.429 ; U3.8@-7.304,1.414 C13.1@-4.145,1.414 v1(-4.145,0) ; R3.2@-3.679,35.429 v1(-1.923,35.429) ; U2.8@2.921,29.854 C12.1@6.403,29.854 v1(6.403,31.604) ; -61.972,2.764 -61.972,3.644 ; -61.972,2.764 -61.532,3.204 ; -61.972,3.644 -61.532,3.204
  Bottom Layer w0.5: -83.022,-9.99 -82.381,-9.349 ; -83.022,-8.707 -82.381,-9.349 ; v1(-64.994,-26.196) -58.113,-26.196 -57.131,-25.214 v1(-57.131,-19.896) ; v1(-58.007,-2.606) v1(-58.007,-3.326) -58.007,-7.318 -60.038,-9.349 -82.381,-9.349
  Bottom Layer w1: v1(-57.131,-19.896) -58.603,-18.424 -78.413,-18.424 -83.022,-13.815 -83.022,-9.99 -83.022,-8.707 v1(-83.022,10.304) -83.543,10.825 -83.543,23.953 -78.267,29.229 v1(-70.984,29.229) -67.437,29.229 T3.1@-66.087,30.579 T2.1@-66.087,34.329 -66.087,36.164 -65.322,36.929 v1(-26.908,36.929) -16.897,36.929 -15.397,35.429 v1(-12.872,35.429) v1(-1.923,35.429) 5.42,35.429 6.403,34.446 v1(6.403,31.604) 6.403,19.683 4.324,17.604 -2.072,17.604 -4.145,15.531 v1(-4.145,0) -4.679,-0.534 -8.335,-0.534 -9.128,0.259 -9.128,5.986 -10.246,7.104 v1(-12.661,7.104) -20.122,7.104 v1(-21.347,5.879)
  other v1: -57.652,-19.471 -56.609,-19.471
AF_OUT_VHF: C7.1 U2.3 | length 3.8
  Top Layer w0.246: U2.3@-18.529,31.604 C7.1@-18.529,35.429
ANT_U: C5.1 U3.12 | length 11.7
  Top Layer w0.224: U3.12@-10.954,-14.136 -10.954,-18.642 ccw(c-8.414,-18.642) -8.414,-21.182 C5.1@-5.23,-21.182
ANT_V: L6.1 U2.12 | length 3.4
  Top Layer w0.224: L6.1@-0.729,10.929 U2.12@-0.729,14.304